# Altium PCB Charge_station.PcbDoc (part 2 of 2) (continued)
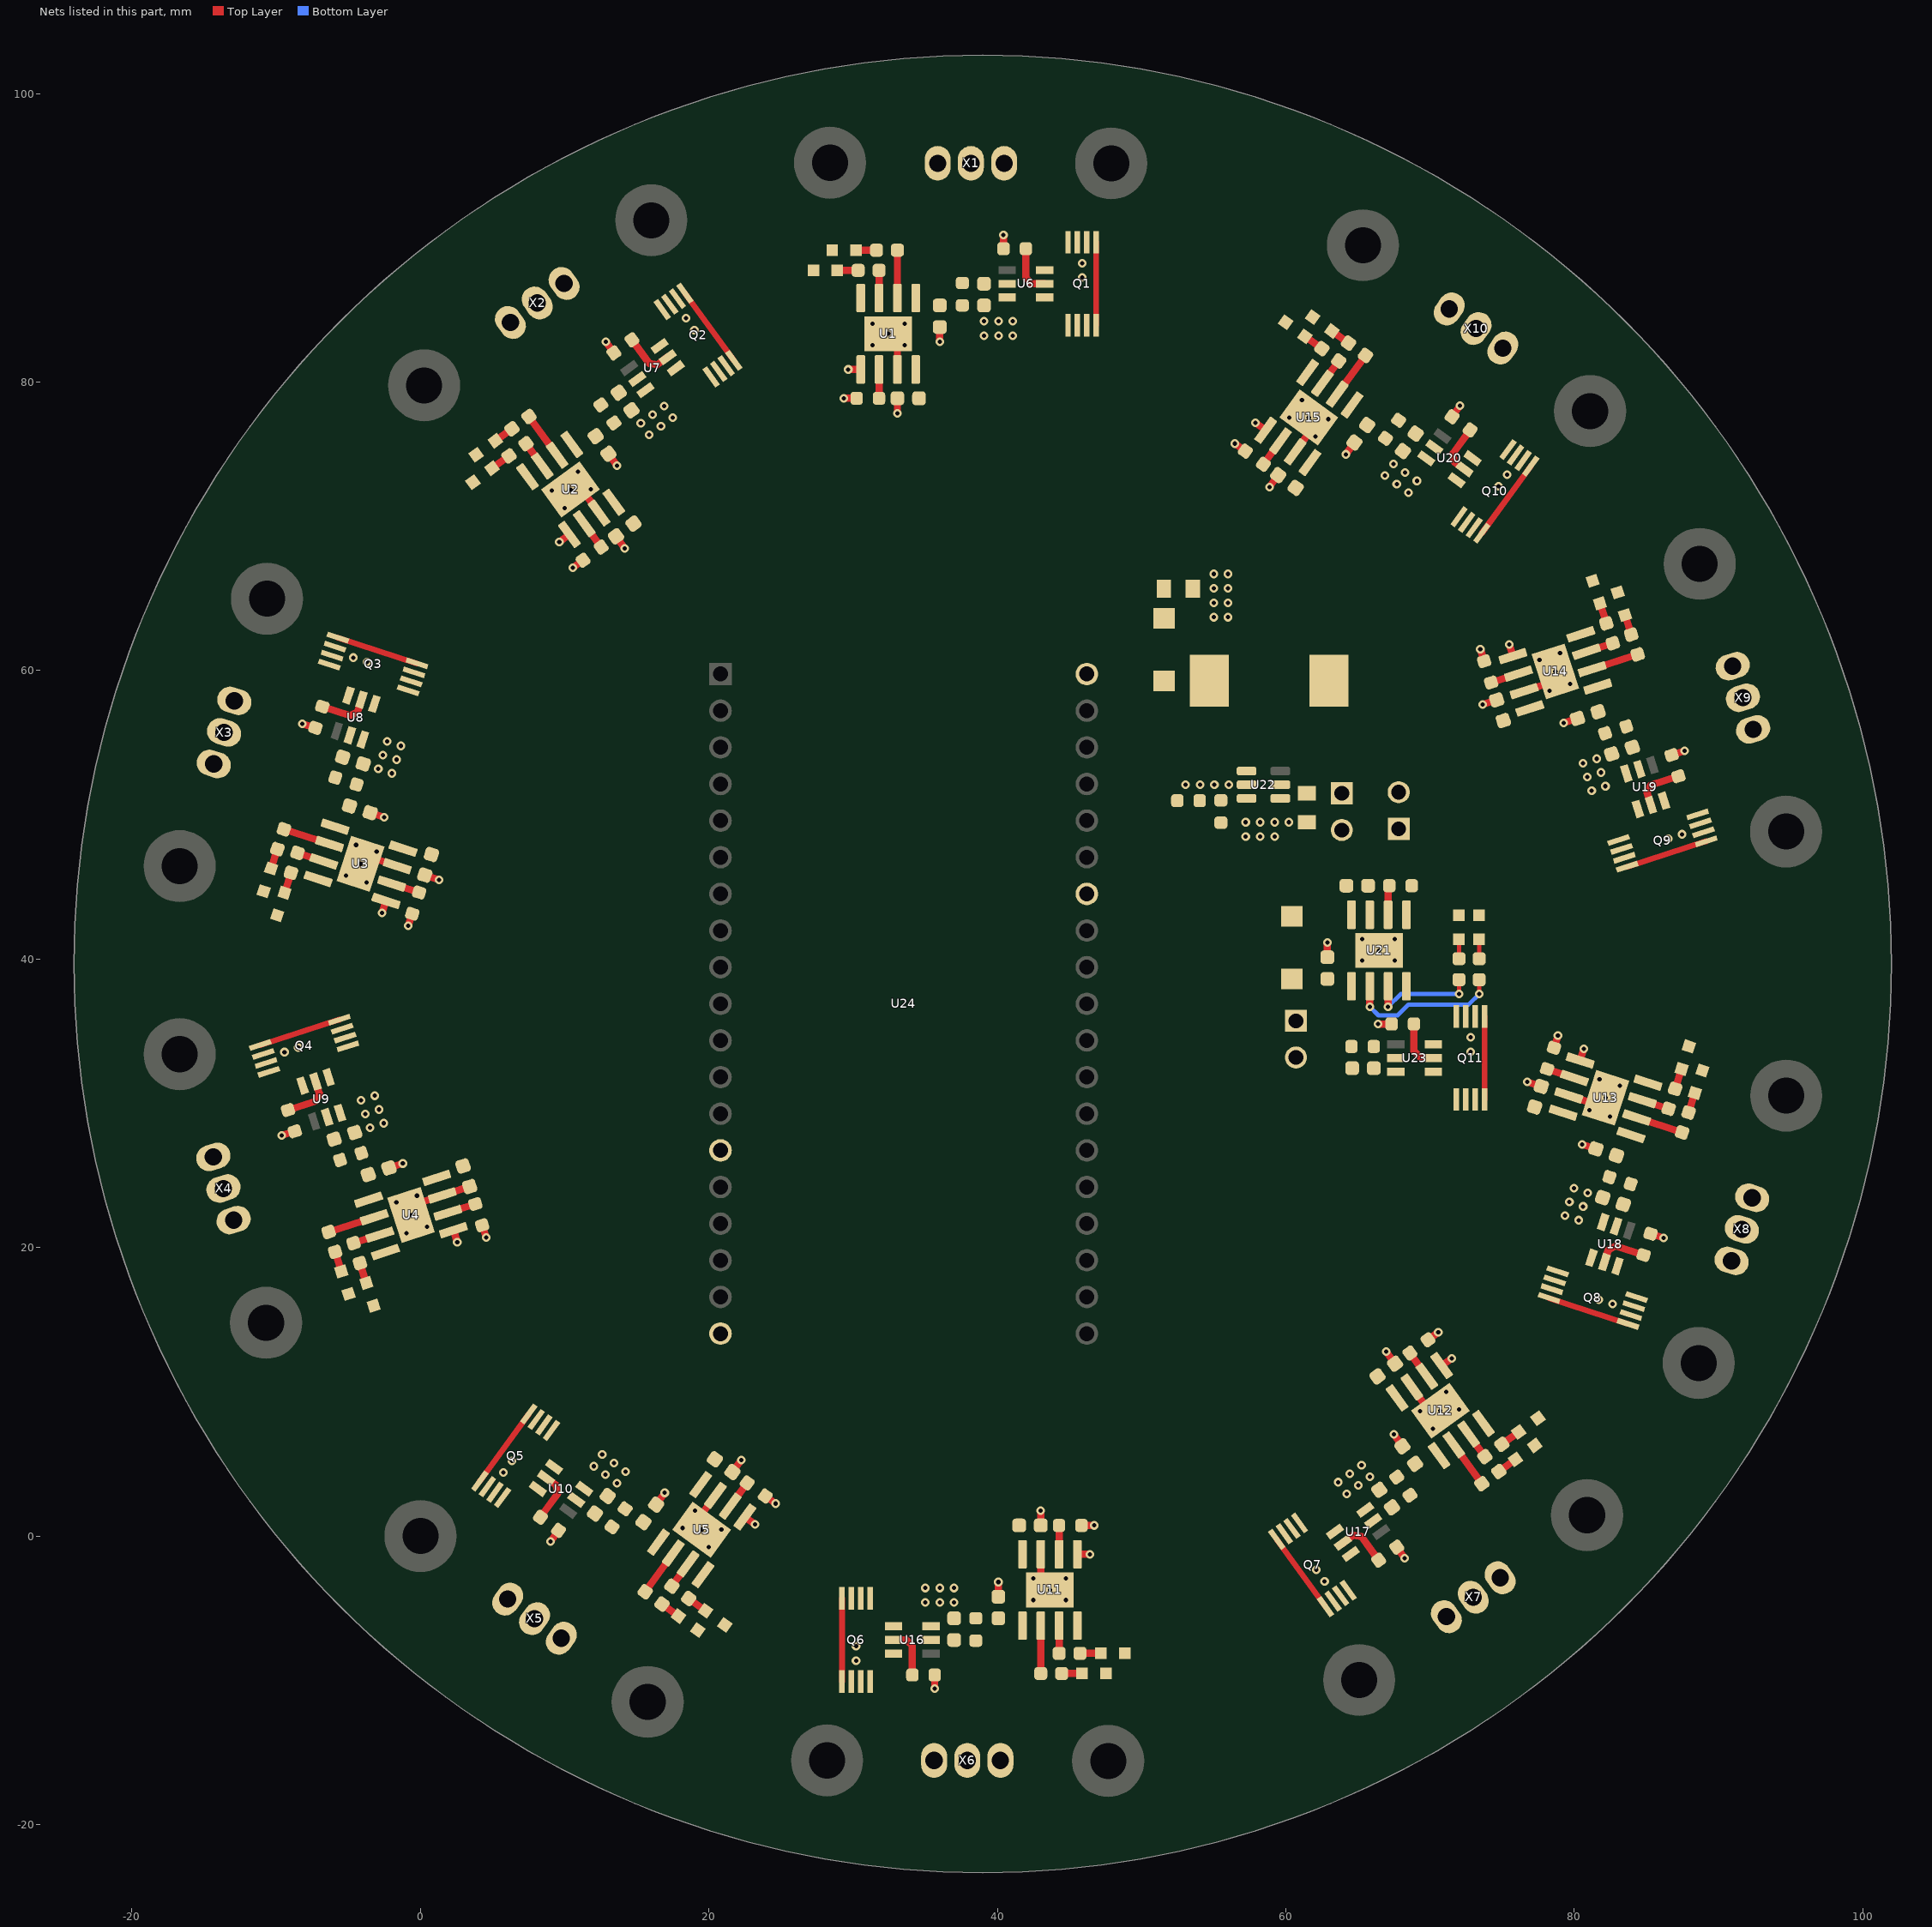
[diagram p2: the nets of this part, all layers, seen from the top]
## Nets (pads, with @x,y where several pads share a name; then routed paths per layer and width w, separated by ;. In a path a pad name is that pad's centre, name@x,y a point inside that pad or via, vN(x,y) a via of type N, cw(c..) or ccw(c..) an arc to the next point about the centre after c; other vN are vias at no path point) (continued)
  other v1: 30.2,-8.632 30.2,-7.632 42.492,-4.435 44.742,-4.435 62.686,-3.152 42.492,-2.935 44.742,-2.935 62.1,-2.342 19.979,-0.766 20.863,0.446 18.161,0.56 19.045,1.772 5.757,4.411 6.346,5.219 70.183,7.454 69.303,8.669 72.006,8.773 71.126,9.988 82.642,16.087 81.692,16.397 -0.981,20.996 0.447,21.455 -1.67,23.137 -0.242,23.597 82.469,29.074 81.044,29.54 83.168,31.213 81.742,31.678 -9.428,33.554 72.8,33.577 -8.476,33.86 72.8,34.577 65.301,39.895 67.551,39.895 65.301,41.395 67.551,41.395 -3.734,45.311 -5.16,45.775 -3.037,47.45 -4.464,47.915 86.516,48.348 57.216,48.489 58.216,48.489 59.216,48.489 87.468,48.655 57.216,49.489 58.216,49.489 59.216,49.489 60.216,49.489 53.046,52.089 54.046,52.089 55.046,52.089 56.046,52.089 78.272,58.604 79.7,59.064 -3.697,60.592 77.581,60.745 -4.648,60.902 79.009,61.205 54.992,63.7 55.992,63.7 54.992,64.7 55.992,64.7 54.992,65.7 55.992,65.7 54.992,66.7 55.992,66.7 9.992,71.261 9.11,72.475 11.811,72.585 74.747,72.773 75.336,73.581 10.929,73.798 62.048,76.22 62.931,77.432 60.23,77.545 61.113,78.757 31.33,82.553 33.58,82.553 18.991,83.612 31.33,84.053 33.58,84.053 18.403,84.42 45.872,87.249 45.872,88.249
NetC11_2: C11.2 R7.1 U9.5
NetC12_2: C12.2 R8.1 U10.5
NetC13_2: C13.2 R9.1 U6.5
NetC14_2: C14.2 R10.1 U7.5
NetC15_2: C15.2 R6.1 U8.5
NetC26_2: C26.2 R31.1 U16.5
NetC27_2: C27.2 R32.1 U17.5
NetC28_2: C28.2 R33.1 U18.5
NetC29_2: C29.2 R34.1 U19.5
NetC30_2: C30.2 R35.1 U20.5
NetC32_2: C32.2 L1.1 U22.4 U22.5 X12.1
NetC35_2: C35.2 R54.1 U23.5
NetD1_C: D1.C R11.2 | length 1.4
  Top Layer w0.5: D1.C@30.197,89.146 R11.2@31.615,89.146
NetD2_C: D2.C R13.2 | length 1.4
  Top Layer w0.5: D2.C@5.198,75.928 R13.2@6.345,76.762
NetD3_C: D3.C R15.2 | length 1.4
  Top Layer w0.5: D3.C@-10.354,46.275 R15.2@-9.915,47.623
NetD4_C: D4.C R17.2 | length 1.4
  Top Layer w0.5: R17.2@-5.917,19.707 D4.C@-5.483,18.357
NetD5_C: D5.C R19.2 | length 1.4
  Top Layer w0.5: R19.2@16.748,-4.714 D5.C@17.894,-5.549
NetD6_C: D6.C R12.2 | length 1.4
  Top Layer w0.5: D6.C@28.897,87.746 R12.2@30.345,87.746
NetD7_C: D7.C R14.2 | length 1.4
  Top Layer w0.5: D7.C@4.969,74.031 R14.2@6.141,74.883
NetD8_C: D8.C R16.2 | length 1.4
  Top Layer w0.5: D8.C@-9.426,44.605 R16.2@-8.977,45.982
NetD9_C: D9.C R18.2 | length 1.4
  Top Layer w0.5: R18.2@-4.196,18.927 D9.C@-3.752,17.548
NetD10_C: D10.C R20.2 | length 1.4
  Top Layer w0.5: R20.2@18.599,-4.331 D10.C@19.769,-5.184
NetD11_C: D11.C R36.2 | length 1.4
  Top Layer w0.5: R36.2@44.457,-9.528 D11.C@45.875,-9.528
NetD12_C: D12.C R38.2 | length 1.4
  Top Layer w0.5: R38.2@74.761,4.48 D12.C@75.91,5.312
NetD13_C: D13.C R40.2 | length 1.4
  Top Layer w0.5: R40.2@87.921,29.36 D13.C@88.362,30.709
NetD14_C: D14.C R42.2 | length 1.4
  Top Layer w0.5: D14.C@83.508,63.848 R42.2@83.944,62.498
NetD15_C: D15.C R44.2 | length 1.4
  Top Layer w0.5: D15.C@63.198,83.54 R44.2@64.344,82.705
NetD16_C: D16.C R37.2 | length 1.4
  Top Layer w0.5: R37.2@45.727,-8.128 D16.C@47.175,-8.128
NetD17_C: D17.C R39.2 | length 1.4
  Top Layer w0.5: R39.2@74.969,6.359 D17.C@76.142,7.208
NetD18_C: D18.C R41.2 | length 1.4
  Top Layer w0.5: R41.2@86.985,31.002 D18.C@87.434,32.379
NetD19_C: D19.C R43.2 | length 1.4
  Top Layer w0.5: D19.C@81.777,64.655 R43.2@82.222,63.277
NetD20_C: D20.C R45.2 | length 1.4
  Top Layer w0.5: D20.C@61.323,83.175 R45.2@62.493,82.322
NetD21_2: D21.2 L1.2 U22.1
NetD23_C: D23.C R55.2 | length 1.3
  Top Layer w0.3: R55.2@73.4,40.025 D23.C@73.4,41.375
NetD24_C: D24.C R56.2 | length 1.3
  Top Layer w0.3: R56.2@72,40.025 D24.C@72,41.375
NetQ1_1: Q1.1 Q1.8 | length 5.8
  Top Layer w0.4: Q1.8@46.847,83.938 Q1.1@46.847,89.698
NetQ1_4: Q1.4 U6.3
NetQ1_5: Q1.5 U6.1
NetQ2_1: Q2.1 Q2.8 | length 5.8
  Top Layer w0.4: Q2.1@18.34,86.165 Q2.8@21.727,81.507
NetQ2_4: Q2.4 U7.3
NetQ2_5: Q2.5 U7.1
NetQ3_1: Q3.1 Q3.8 | length 5.8
  Top Layer w0.4: Q3.1@-5.723,62.277 Q3.8@-0.246,60.494
NetQ3_4: Q3.4 U8.3
NetQ3_5: Q3.5 U8.1
NetQ4_1: Q4.1 Q4.8 | length 5.8
  Top Layer w0.4: Q4.1@-11.106,34.039 Q4.8@-5.622,35.802
NetQ4_4: Q4.4 U9.3
NetQ4_5: Q4.5 U9.1
NetQ5_1: Q5.1 Q5.8 | length 5.8
  Top Layer w0.4: Q5.1@4.115,3.815 Q5.8@7.509,8.469
NetQ5_4: Q5.4 U10.3
NetQ5_5: Q5.5 U10.1
NetQ6_1: Q6.1 Q6.8 | length 5.8
  Top Layer w0.4: Q6.1@29.225,-10.08 Q6.8@29.225,-4.32
NetQ6_4: Q6.4 U16.3
NetQ6_5: Q6.5 U16.1
NetQ7_1: Q7.1 Q7.8 | length 5.8
  Top Layer w0.4: Q7.8@59.368,-0.231 Q7.1@62.746,-4.897
NetQ7_4: Q7.4 U17.3
NetQ7_5: Q7.5 U17.1
NetQ8_1: Q8.1 Q8.8 | length 5.8
  Top Layer w0.4: Q8.8@78.241,16.498 Q8.1@83.716,14.71
NetQ8_4: Q8.4 U18.3
NetQ8_5: Q8.5 U18.1
NetQ9_1: Q9.1 Q9.8 | length 5.8
  Top Layer w0.4: Q9.8@83.664,46.403 Q9.1@89.146,48.172
NetQ9_4: Q9.4 U19.3
NetQ9_5: Q9.5 U19.1
NetQ10_1: Q10.1 Q10.8 | length 5.8
  Top Layer w0.4: Q10.8@73.583,69.522 Q10.1@76.977,74.177
NetQ10_4: Q10.4 U20.3
NetQ10_5: Q10.5 U20.1
NetQ11_1: Q11.1 Q11.8 | length 5.8
  Top Layer w0.4: Q11.8@73.775,30.265 Q11.1@73.775,36.025
NetQ11_4: Q11.4 U23.3
NetQ11_5: Q11.5 U23.1
NetR1_2: R1.2 U1.2 | length 2
  Top Layer w0.5: R1.2@31.795,78.878 U1.2@31.795,80.878
NetR2_2: R2.2 U2.2 | length 2
  Top Layer w0.5: U2.2@11.353,70.18 R2.2@12.529,68.562
NetR3_2: R3.2 U3.2 | length 2
  Top Layer w0.5: U3.2@-1.997,45.234 R3.2@-0.096,44.615
NetR4_2: R4.2 U4.2 | length 2
  Top Layer w0.5: U4.2@1.899,22.41 R4.2@3.803,23.023
NetR5_2: R5.2 U5.2 | length 2
  Top Layer w0.5: U5.2@21.474,2.074 R5.2@22.652,3.69
NetR21_2: R21.2 U6.2 | length 3.5
  Top Layer w0.5: R21.2@41.972,89.246 41.972,87.221 42.375,86.818 U6.2@43.247,86.818 ; U6.2@43.247,86.843 U6.2@43.272,86.818
NetR22_2: R22.2 U7.2 | length 3.5
  Top Layer w0.5: R22.2@14.662,82.933 15.853,81.295 16.417,81.206 U7.2@17.122,81.719 ; U7.2@17.107,81.739 U7.2@17.142,81.734
NetR23_2: R23.2 U8.2 | length 3.5
  Top Layer w0.5: R23.2@-6.803,57.502 -4.878,56.875 -4.369,57.134 U8.2@-4.099,57.963 ; U8.2@-4.123,57.97 U8.2@-4.092,57.986
NetR24_2: R24.2 U9.2 | length 3.5
  Top Layer w0.5: R24.2@-9.183,29.536 -7.256,30.156 -6.995,30.664 U9.2@-7.262,31.494 ; U9.2@-7.286,31.486 U9.2@-7.27,31.517
NetR25_2: R25.2 U10.2 | length 3.5
  Top Layer w0.5: R25.2@8.321,1.307 9.514,2.944 9.425,3.507 U10.2@8.721,4.021 ; U10.2@8.701,4.036 U10.2@8.706,4.001
NetR26_2: R26.2 U11.2 | length 2
  Top Layer w0.5: U11.2@44.277,-1.26 R26.2@44.277,0.74
NetR27_2: R27.2 U12.2 | length 2
  Top Layer w0.5: R27.2@68.595,12.693 U12.2@69.767,11.073
NetR28_2: R28.2 U13.2 | length 2
  Top Layer w0.5: R28.2@78.104,32.377 U13.2@80.006,31.756
NetR29_2: R29.2 U14.2 | length 2
  Top Layer w0.5: R29.2@74.227,59.174 U14.2@76.13,59.788
NetR30_2: R30.2 U15.2 | length 2
  Top Layer w0.5: R30.2@58.44,74.302 U15.2@59.618,75.918
NetR46_2: R46.2 U16.2 | length 3.5
  Top Layer w0.5: U16.2@32.8,-7.2 U16.2@32.825,-7.225 ; U16.2@32.825,-7.2 33.697,-7.2 34.1,-7.603 R46.2@34.1,-9.628
NetR47_2: R47.2 U17.2 | length 3.5
  Top Layer w0.5: U17.2@63.953,-0.468 U17.2@63.988,-0.474 ; U17.2@63.973,-0.454 64.679,0.057 65.243,-0.033 R47.2@66.43,-1.673
NetR48_2: R48.2 U18.2 | length 3.5
  Top Layer w0.5: U18.2@82.089,19.003 U18.2@82.12,19.019 ; U18.2@82.097,19.026 82.367,19.855 82.876,20.113 R48.2@84.801,19.484
NetR49_2: R49.2 U19.2 | length 3.5
  Top Layer w0.5: U19.2@85.3,50.714 85.032,51.543 85.292,52.051 R49.2@87.219,52.673 ; U19.2@85.307,50.69 U19.2@85.324,50.721
NetR50_2: R50.2 U20.2 | length 3.5
  Top Layer w0.5: U20.2@72.371,73.971 71.667,74.484 71.579,75.048 R50.2@72.772,76.684 ; U20.2@72.386,73.991 U20.2@72.391,73.956
NetR51_2: R51.2 U21.2 | length 2
  Top Layer w0.5: U21.2@67.086,43.07 R51.2@67.086,45.07
NetR52_1: R52.1 R53.2 U22.3
NetR57_2: R57.2 U23.2 | length 3.4
  Top Layer w0.5: R57.2@68.875,35.5 68.875,33.625 69.35,33.15 70.222,33.15 U23.2@70.226,33.145
STDBY_1: R11.1 U1.6 | length 3.3
  Top Layer w0.5: U1.6@33.065,85.828 R11.1@33.065,89.146
STDBY_2: R13.1 U2.6 | length 3.3
  Top Layer w0.5: R13.1@7.517,77.615 U2.6@9.469,74.931
STDBY_3: R15.1 U3.6 | length 3.3
  Top Layer w0.5: R15.1@-9.466,49.002 U3.6@-6.311,47.975
STDBY_4: R17.1 U4.6 | length 3.3
  Top Layer w0.5: R17.1@-6.361,21.088 U4.6@-3.202,22.104
STDBY_5: R19.1 U5.6 | length 3.3
  Top Layer w0.5: R19.1@15.576,-3.859 U5.6@17.531,-1.178
STDBY_6: R36.1 U11.6 | length 3.3
  Top Layer w0.5: R36.1@43.007,-9.528 U11.6@43.007,-6.21
STDBY_7: R38.1 U12.6 | length 3.3
  Top Layer w0.5: U12.6@71.641,6.318 R38.1@73.587,3.63
STDBY_8: R40.1 U13.6 | length 3.3
  Top Layer w0.5: U13.6@84.317,29.012 R40.1@87.471,27.982
STDBY_9: R42.1 U14.6 | length 3.3
  Top Layer w0.5: U14.6@81.231,60.099 R42.1@84.389,61.118
STDBY_10: R44.1 U15.6 | length 3.3
  Top Layer w0.5: U15.6@63.561,79.169 R44.1@65.516,81.851
STDBY_M: R55.1 U21.6 | length 10.9
  Top Layer w0.3: v1@73.4,37.525 v1(73.4,37.575) R55.1@73.4,38.575
  Top Layer w0.5: v1(65.816,36.7) U21.6@65.816,38.12
  Bottom Layer w0.3: v1(65.816,36.7) 66.416,36.1 67.75,36.1 68.5,36.85 72.675,36.85 v1(73.4,37.575)
Vin: C31.2 D22.1 U21.4 U21.8 X11.1 X12.2
pads on no net: U6.4 U7.4 U8.4 U9.4 U10.4 U16.4 U17.4 U18.4 U19.4 U20.4 U22.6 U23.4 U24.J2-1 U24.J2-2 U24.J2-3 U24.J2-4 U24.J2-5 U24.J2-6 U24.J2-7 U24.J2-8 U24.J2-9 U24.J2-10 U24.J2-11 U24.J2-12 U24.J2-13 U24.J2-15 U24.J2-16 U24.J2-17 U24.J2-18 U24.J3-2 U24.J3-3 U24.J3-4 U24.J3-5 U24.J3-6 U24.J3-8 U24.J3-9 U24.J3-10 U24.J3-11 U24.J3-12 U24.J3-13 U24.J3-14 U24.J3-15 U24.J3-16 U24.J3-17 U24.J3-18 U24.J3-19

## Polygon pours and split planes (outlines as drawn)
GND on Bottom Layer "GND_L02_P086" (solid, remove dead copper, pour order 86): 38.982,-23.336 cw(c38.982,39.664) -24.018,39.664 cw(c38.982,39.664) 38.982,102.664 cw(c38.982,39.664) 101.982,39.664 cw(c38.982,39.664)
BAT_GND_WS10 on Bottom Layer "BAT_GND_WS10_L02_P073" (solid, pour order 73): 66.34,73.294 68.764,71.527 71.651,75.486 71.322,77.582 70.584,82.299 72.959,85.557 71.239,86.811 65.463,78.889
BAT_GND_WS8 on Bottom Layer "BAT_GND_WS8_L02_P066" (solid, pour order 66): 79.589,24.553 78.657,21.701 83.315,20.18 85.207,21.14 89.464,23.301 93.297,22.05 93.958,24.073 84.639,27.117
BAT_GND_WS4 on Bottom Layer "BAT_GND_WS4_L02_P059" (solid, pour order 59): -1.989,28.489 -2.907,31.345 -7.572,29.844 -8.541,27.957 -10.721,23.709 -14.559,22.475 -13.908,20.449 -4.575,23.45
BAT_GND_WS9 on Bottom Layer "Bottom Layer-No Net" (solid, pour order 52): 80.024,53.713 80.945,50.858 87.114,52.849 86.693,54.154 87.015,54.784 87.776,55.029 89.617,54.087 93.813,55.441 93.26,57.154 90.528,56.272 88.561,57.279 80.521,54.685
BAT_GND_WS7 on Bottom Layer "Bottom Layer-No Net" (solid, pour order 45): 65.194,5.491 62.764,3.732 66.565,-1.519 67.676,-0.714 68.375,-0.826 68.844,-1.474 68.516,-3.516 71.101,-7.088 72.56,-6.032 70.876,-3.707 71.226,-1.525 66.272,5.319
BAT_GND_WS5 on Bottom Layer "Bottom Layer-No Net" (solid, pour order 38): 14.753,4.697 12.328,6.465 8.509,1.227 9.618,0.419 9.727,-0.28 9.256,-0.926 7.213,-1.246 4.615,-4.809 6.07,-5.869 7.761,-3.549 9.944,-3.207 14.921,3.619
BAT_GND_WS2 on Bottom Layer "BAT_GND_WS2_L02_P036" (solid, pour order 36): 15.914,75.771 18.34,77.535 15.458,81.499 13.363,81.83 8.647,82.575 6.276,85.836 4.554,84.584 10.319,76.655
BAT_GND_WS3 on Bottom Layer "Bottom Layer-No Net 1" (solid, pour order 29): -1.587,52.438 -0.658,55.29 -6.821,57.298 -7.246,55.993 -7.876,55.673 -8.637,55.92 -9.575,57.764 -13.767,59.129 -14.324,57.417 -11.594,56.528 -10.592,54.559 -2.559,51.943
BAT_GND_WS1 on Bottom Layer "Bottom Layer-BAT_GND_WS1" (solid, pour order 1): 38.772,82.718 41.772,82.718 41.772,89.2 40.4,89.2 39.9,89.7 39.9,90.5 41.362,91.962 41.362,96.371 39.562,96.371 39.562,93.5 38,91.938 38,83.489
BAT_GND_WS6 on Bottom Layer "BAT_GND_WS6_L02_P002" (solid, pour order 2): 37.3,-3.1 34.3,-3.1 34.3,-8 35.8,-9.5 39.176,-12.876 39.176,-16.908 41.305,-16.908 41.305,-7.105
5V on Top Layer "5V_L01_P087" (solid, remove dead copper, pour order 87): 38.982,-23.336 cw(c38.982,39.664) -24.018,39.664 cw(c38.982,39.664) 38.982,102.664 cw(c38.982,39.664) 101.982,39.664 cw(c38.982,39.664)
GND on Top Layer "Top Layer-GND 1" (solid, remove dead copper, pour order 9): 54.838,48 59.5,48 60.1,48.6 62.071,48.6 62.071,49.989 54.838,49.989
NetQ9_5 on Top Layer "NETQ9_5_L01_P054" (solid, pour order 54): 84.232,48.425 82.385,47.829 82.228,48.314 83.463,50.725 84.481,51.053 84.905,49.739
Charge_Bat_WS_10 on Top Layer "Top Layer-Charge_Bat_WS_6" (solid, pour order 79): 76.817,82.857 73.17,85.516 71.767,83.592 70.572,83.405 67.499,82.923 63.764,77.802 67.079,75.385 67.675,76.202 66.889,76.775 66.803,77.324 67.67,78.513 74.421,79.57
NetC30_2 on Top Layer "NETC30_2_L01_P077" (solid, pour order 77): 70.496,74.75 71.055,75.518 67.702,77.963 67.142,77.195
BAT_GND_WS10 on Top Layer "BAT_GND_WS10_L01_P076" (solid, pour order 76): 73.758,70.526 72.002,68.118 70.989,67.959 66.384,71.317 66.055,73.413 68.115,76.238 70.378,74.589 71.099,69.983 71.477,69.708 71.912,69.776 72.91,71.145
NetQ10_4 on Top Layer "NETQ10_4_L01_P075" (solid, pour order 75): 74.879,74.269 76.022,75.838 75.611,76.138 72.934,75.719 72.304,74.855 73.421,74.041
NetQ10_5 on Top Layer "NETQ10_5_L01_P074" (solid, pour order 74): 72.854,71.492 71.71,69.923 71.298,70.223 70.879,72.9 71.509,73.764 72.625,72.95
Charge_Bat_WS_8 on Top Layer "Top Layer-Charge_Bat_WS_6" (solid, pour order 72): 91.922,17.546 93.324,21.836 91.06,22.576 90.512,23.654 89.104,26.428 83.079,28.396 81.805,24.496 82.766,24.182 83.068,25.107 83.564,25.359 84.962,24.902 88.055,18.809
BAT_GND_WS8 on Top Layer "BAT_GND_WS8_L01_P069" (solid, pour order 69): 79.25,16.642 76.416,17.568 75.952,18.482 77.722,23.9 79.614,24.861 82.937,23.775 82.068,21.113 77.911,19.003 77.766,18.559 77.965,18.167 79.576,17.641
NetQ8_4 on Top Layer "NETQ8_4_L01_P068" (solid, pour order 68): 83.156,16.734 85.001,16.131 85.159,16.616 83.933,19.031 82.917,19.363 82.488,18.05
NetQ8_5 on Top Layer "NETQ8_5_L01_P067" (solid, pour order 67): 79.889,17.801 78.043,18.404 78.201,18.888 80.617,20.115 81.633,19.783 81.204,18.469
NetQ4_4 on Top Layer "NETQ4_4_L01_P061" (solid, pour order 61): -9.464,32.729 -11.313,32.134 -11.157,31.649 -8.746,30.412 -7.728,30.739 -8.151,32.055
GND on Top Layer "GND_L01_P058" (solid, pour order 58): 89.75,48.84 89.428,49.839 85.975,48.725 86.297,47.725
NetC29_2 on Top Layer "NETC29_2_L01_P057" (solid, pour order 57): 84.241,52.447 85.145,52.739 83.871,56.688 82.967,56.397
BAT_GND_WS9 on Top Layer "BAT_GND_WS9_L01_P056" (solid, pour order 56): 84.396,47.112 81.559,46.197 80.647,46.664 78.897,52.089 79.863,53.977 83.191,55.051 84.051,52.386 81.926,48.236 82.069,47.792 82.461,47.591 84.073,48.111
Charge_Bat_WS_9 on Top Layer "Top Layer-No Net" (solid, pour order 53): 93.4,57.523 91.798,62.49 86.623,60.82 80.591,58.874 81.851,54.969 82.813,55.28 82.514,56.206 82.768,56.7 84.168,57.152 87.292,55.552
NetC27_2 on Top Layer "NETC27_2_L01_P050" (solid, pour order 50): 65.295,1.089 65.852,0.32 69.214,2.753 68.657,3.522
BAT_GND_WS7 on Top Layer "BAT_GND_WS7_L01_P049" (solid, pour order 49): 60.269,-0.708 58.521,1.706 58.684,2.719 63.301,6.061 65.396,5.725 67.446,2.893 65.177,1.251 60.574,1.989 60.196,1.715 60.126,1.28 61.119,-0.092
NetQ7_4 on Top Layer "NETQ7_4_L01_P048" (solid, pour order 48): 63.482,-2.931 64.621,-4.503 65.033,-4.205 65.462,-1.53 64.835,-0.663 63.716,-1.473
NetQ7_5 on Top Layer "NETQ7_5_L01_P047" (solid, pour order 47): 61.467,-0.146 60.329,1.426 60.741,1.725 63.416,1.296 64.043,0.43 62.924,-0.38
Charge_Bat_WS_7 on Top Layer "Top Layer-No Net" (solid, pour order 46): 72.954,-6.051 77.182,-2.991 73.994,1.413 70.278,6.547 66.954,4.142 67.547,3.323 68.335,3.894 68.884,3.806 69.746,2.614 69.191,-0.852
GND on Top Layer "GND_L01_P044" (solid, pour order 44): 4.02,2.919 4.868,2.301 7.006,5.233 6.157,5.851
NetC12_2 on Top Layer "NETC12_2_L01_P043" (solid, pour order 43): 10.597,3.241 10.037,2.473 13.39,0.028 13.95,0.796
BAT_GND_WS5 on Top Layer "BAT_GND_WS5_L01_P042" (solid, pour order 42): 7.334,7.465 9.09,9.874 10.103,10.032 14.709,6.674 15.037,4.578 12.977,1.753 10.715,3.403 9.993,8.008 9.616,8.284 9.181,8.215 8.183,6.847
NetQ5_4 on Top Layer "NETQ5_4_L01_P041" (solid, pour order 41): 6.214,3.722 5.07,2.153 5.481,1.853 8.158,2.273 8.788,3.137 7.672,3.951
NetQ5_5 on Top Layer "NETQ5_5_L01_P040" (solid, pour order 40): 8.239,6.499 9.383,8.068 9.794,7.768 10.213,5.091 9.583,4.227 8.467,5.041
Charge_Bat_WS_5 on Top Layer "Top Layer-No Net" (solid, pour order 39): 6.174,-6.251 10.391,-9.325 13.594,-4.932 17.328,0.19 14.013,2.607 13.417,1.79 14.204,1.216 14.29,0.668 13.423,-0.521 9.956,-1.064
Charge_Bat_WS_2 on Top Layer "Top Layer-No Net 1" (solid, pour order 37): 10.03,88.679 6.379,86.025 7.78,84.098 7.591,82.904 7.105,79.831 10.833,74.704 14.151,77.117 13.556,77.934 12.769,77.362 12.221,77.449 11.356,78.639 12.422,85.389
GND on Top Layer "GND_L01_P028" (solid, pour order 28): 17.517,86.532 16.668,85.914 18.802,82.979 19.651,83.597
NetC14_2 on Top Layer "NETC14_2_L01_P027" (solid, pour order 27): 15.804,80.173 15.245,80.942 11.889,78.501 12.447,77.733
BAT_GND_WS2 on Top Layer "BAT_GND_WS2_L01_P026" (solid, pour order 26): 20.826,81.981 22.578,79.571 22.418,78.558 17.808,75.206 15.713,75.537 13.657,78.365 15.921,80.012 20.526,79.284 20.904,79.559 20.973,79.994 19.976,81.364
NetQ2_4 on Top Layer "NETQ2_4_L01_P025" (solid, pour order 25): 17.607,84.197 16.466,85.767 16.054,85.468 15.631,82.792 16.26,81.927 17.377,82.739
NetQ2_5 on Top Layer "NETQ2_5_L01_P024" (solid, pour order 24): 19.629,81.417 20.77,79.847 20.359,79.547 17.682,79.97 17.054,80.835 18.171,81.647
Charge_Bat_WS_3 on Top Layer "Top Layer-No Net 2" (solid, pour order 30): -14.654,57.2 -16.27,52.238 -11.101,50.555 -5.074,48.592 -3.804,52.493 -4.765,52.806 -5.066,51.881 -5.561,51.629 -6.96,52.084 -8.551,55.212
Charge_Bat_WS_4 on Top Layer "Top Layer-Charge_Bat_WS_6" (solid, pour order 65): -16.088,26.929 -14.706,22.632 -12.439,23.361 -11.363,22.809 -8.595,21.388 -2.561,23.329 -3.818,27.234 -4.78,26.925 -4.482,25.998 -4.735,25.504 -6.136,25.054 -12.216,28.174
BAT_GND_MAIN on Top Layer "Top Layer-BAT_GND_MAIN" (solid, pour order 85): 59.658,27.4 73.325,27.4 73.325,31.045 72.275,31.045 72.275,29.4 72,29.125 71.6,29.125 69.125,31.6 68.255,32.47 67.026,32.47 67.026,31.92 66.807,31.701 65.149,31.701 65.149,33.025 62.246,33.025 61.188,34.084 59.658,34.084
GND on Top Layer "GND_L01_P084" (solid, pour order 84): 73.325,36.805 72.275,36.805 72.275,33.177 73.325,33.177
NetC35_2 on Top Layer "NETC35_2_L01_P083" (solid, remove dead copper, pour order 83): 66.779,32.162 66.779,32.623 67.026,32.87 68.226,32.87 68.226,33.42 67.059,33.42 66.779,33.7 66.779,34.189 66.446,34.522 65.581,34.522 65.581,31.873 66.49,31.873
NetQ11_4 on Top Layer "NETQ11_4_L01_P082" (solid, pour order 82): 72.051,34.864 72.051,36.805 71.542,36.805 69.626,34.89 69.626,33.82 71.008,33.82
NetQ11_5 on Top Layer "NETQ11_5_L01_P081" (solid, pour order 81): 72.051,31.427 72.051,29.403 71.624,29.403 69.626,31.401 69.626,32.47 71.008,32.47
BAT_MAIN on Top Layer "Top Layer-BAT_MAIN" (solid, pour order 80): 63.719,33.431 65.078,33.431 65.078,38.755 64.482,39.35 59.446,39.35 59.446,34.788 62.362,34.788
GND on Top Layer "GND_L01_P078" (solid, pour order 78): 77.073,75.072 76.224,75.691 74.087,72.759 74.935,72.14
GND on Top Layer "GND_L01_P071" (solid, pour order 71): 84.598,14.896 84.924,15.894 81.474,17.02 81.148,16.022
NetC28_2 on Top Layer "NETC28_2_L01_P070" (solid, pour order 70): 82.258,21.051 83.161,20.756 84.45,24.701 83.547,24.996
GND on Top Layer "GND_L01_P064" (solid, pour order 64): -11.711,33.372 -11.389,32.372 -7.935,33.483 -8.256,34.483
NetC11_2 on Top Layer "NETC11_2_L01_P063" (solid, pour order 63): -6.205,29.759 -7.109,29.468 -5.839,25.517 -4.934,25.808
BAT_GND_WS4 on Top Layer "BAT_GND_WS4_L01_P062" (solid, pour order 62): -6.355,35.094 -3.517,36.007 -2.605,35.538 -0.86,30.112 -1.829,28.225 -5.157,27.154 -6.015,29.82 -3.886,33.967 -4.029,34.412 -4.421,34.613 -6.033,34.095
NetQ4_5 on Top Layer "NETQ4_5_L01_P060" (solid, pour order 60): -6.192,33.781 -4.344,34.375 -4.188,33.89 -5.425,31.48 -6.443,31.153 -6.866,32.468
NetQ9_4 on Top Layer "NETQ9_4_L01_P055" (solid, pour order 55): 87.503,49.481 89.351,50.077 89.195,50.561 86.783,51.796 85.766,51.468 86.19,50.153
GND on Top Layer "GND_L01_P051" (solid, pour order 51): 63.568,-5.265 64.418,-4.65 62.291,-1.711 61.44,-2.326
GND on Top Layer "GND_L01_P035" (solid, pour order 35): -6.604,62.091 -6.929,61.093 -3.479,59.969 -3.154,60.967
NetC15_2 on Top Layer "NETC15_2_L01_P034" (solid, pour order 34): -4.259,55.938 -5.163,56.232 -6.448,52.286 -5.544,51.991
BAT_GND_WS3 on Top Layer "BAT_GND_WS3_L01_P033" (solid, pour order 33): -1.255,60.349 1.579,59.426 2.044,58.512 0.279,53.092 -1.612,52.131 -4.936,53.213 -4.069,55.876 0.086,57.989 0.231,58.433 0.031,58.826 -1.58,59.351
NetQ3_4 on Top Layer "NETQ3_4_L01_P032" (solid, pour order 32): -5.161,60.254 -7.007,60.855 -7.164,60.371 -5.936,57.956 -4.919,57.625 -4.492,58.938
NetQ3_5 on Top Layer "NETQ3_5_L01_P031" (solid, pour order 31): -1.893,59.189 -0.046,58.588 -0.204,58.104 -2.619,56.876 -3.636,57.207 -3.208,58.52
GND on Top Layer "GND_L01_P023" (solid, pour order 23): 46.397,90.478 45.347,90.478 45.347,86.849 46.397,86.849
NetC13_2 on Top Layer "NETC13_2_L01_P022" (solid, pour order 22): 41.272,86.343 41.272,87.293 37.122,87.293 37.122,86.343
BAT_GND_WS1 on Top Layer "BAT_GND_WS1_L01_P021" (solid, pour order 21): 46.397,84.852 46.397,81.871 45.672,81.146 39.972,81.146 38.472,82.646 38.472,86.143 41.272,86.143 44.568,82.846 45.035,82.846 45.347,83.158 45.347,84.852
NetQ1_4 on Top Layer "NETQ1_4_L01_P020" (solid, pour order 20): 45.097,88.536 45.097,90.478 44.588,90.478 42.672,88.562 42.672,87.493 44.053,87.493
NetQ1_5 on Top Layer "NETQ1_5_L01_P019" (solid, pour order 19): 45.097,85.099 45.097,83.158 44.588,83.158 42.672,85.073 42.672,86.143 44.053,86.143
Charge_Bat_WS_1 on Top Layer "Top Layer-Charge_Bat_WS_1" (solid, pour order 18): 39.253,96.618 34.035,96.618 34.035,91.181 34.035,84.843 38.138,84.843 38.138,85.853 37.164,85.853 36.772,86.246 36.772,87.718 39.253,90.199
Charge_Bat_WS_6 on Top Layer "Top Layer-Charge_Bat_WS_6" (solid, pour order 17): 34.468,-17 38.982,-17 38.982,-14.618 39.837,-13.763 42.037,-11.563 42.037,-5.225 37.934,-5.225 37.934,-6.236 38.907,-6.236 39.3,-6.628 39.3,-8.1 34.468,-12.932
GND on Top Layer "GND_L01_P016" (solid, pour order 16): 29.675,-10.86 30.725,-10.86 30.725,-7.232 29.675,-7.232
NetC26_2 on Top Layer "NETC26_2_L01_P015" (solid, pour order 15): 34.8,-6.725 34.8,-7.675 38.95,-7.675 38.95,-6.725
BAT_GND_WS6 on Top Layer "BAT_GND_WS6_L01_P014" (solid, pour order 14): 29.675,-5.234 29.675,-2.253 30.4,-1.528 36.1,-1.528 37.6,-3.028 37.6,-6.525 34.8,-6.525 31.503,-3.228 31.037,-3.228 30.725,-3.54 30.725,-5.234
NetQ6_4 on Top Layer "NETQ6_4_L01_P013" (solid, pour order 13): 30.975,-8.919 30.975,-10.86 31.484,-10.86 33.4,-8.944 33.4,-7.875 32.019,-7.875
NetQ6_5 on Top Layer "NETQ6_5_L01_P012" (solid, pour order 12): 30.975,-5.481 30.975,-3.54 31.484,-3.54 33.4,-5.456 33.4,-6.525 32.019,-6.525
GND on Top Layer "GND_L01_P011" (solid, remove dead copper, pour order 11): 64.8,41.802 68.102,41.802 68.102,39.389 64.8,39.389
GND on Top Layer "Top Layer-GND" (solid, remove dead copper, pour order 10): 68.056,39.435 68.102,39.389 68.656,39.943 68.656,44.127 69.216,44.686 69.216,45.652 68.214,45.652 68.214,44.769 68.056,44.612 68.056,42.16
NetR52_1 on Top Layer "NETR52_1_L01_P008" (solid, remove dead copper, pour order 8): 57.961,51.434 57.961,50.584 53.596,50.584 53.596,51.434
GND on Top Layer "GND_L01_P007" (solid, remove dead copper, pour order 7): 52.692,62.6 52.692,67.5 56.992,67.5 56.992,62.6
Vin on Top Layer "Top Layer-Vin" (solid, remove dead copper, pour order 6): 59.246,42.16 64.846,42.16 64.846,45.589 65.246,45.989 69.146,45.989 69.446,45.689 69.446,40.398 68.056,39.008 68.056,37.21 68.968,37.21 71.046,39.289 71.046,47.679 68.836,49.889 63.346,49.889 62.846,49.389 62.846,48.889 62.346,48.389 60.346,48.389 59.246,47.289
GND on Top Layer "GND_L01_P005" (solid, remove dead copper, pour order 5): 57.961,52.384 57.961,51.794 52.1,51.794 52.1,52.384
NetD21_2 on Top Layer "NETD21_2_L01_P004" (solid, remove dead copper, pour order 4): 57.961,52.744 57.961,61.489 50.3,61.489 50.3,52.744
NetC32_2 on Top Layer "NETC32_2_L01_P003" (solid, remove dead copper, pour order 3): 58.931,50.594 58.931,52.384 60.284,52.384 60.546,52.646 60.546,61.589 65.046,61.589 65.046,50.594
GND on Top Layer "Top Layer-GND 2" (solid, remove dead copper, pour order 0): 65.341,41.555 65.816,41.08 66.291,41.555 66.291,45.564 65.221,45.564 65.221,44.614 65.341,44.493

## Silkscreen, mask and mechanical layers (free items; w line width, h text height)
Top Overlay:
  text "I" at 70.839,54.29 h1.52 r90
  text "-" at 72.439,54.29 h1.52 r90
  text "On/Off" at 70.85,47.3 h1.52 r90
  text "USB-C" at 72.45,47.3 h1.52 r90
  text "0" at 70.85,46.3 h1.52 r90
  text "+" at 72.45,46.3 h1.52 r90
  text "+" at 51.7,35.45 h2
  text "Main Bat" at 51.7,33.95 h1.52
  text "-" at 57.7,33.95 h2 r180
  text "LIPSAR v2.0" at 52.747,19.296 h3
  text "Charge Station" at 51.676,16.163 h3
Board:
  circle w0.013: c38.982,39.664 r63
Mech:
  circle w0.013: c28.189,-15.553 r1.1
  circle w0.013: c88.621,12 r1.1
  circle w0.013: c94.687,30.532 r1.1
  circle w0.013: c81.091,77.99 r1.1
  circle w0.013: c65.34,89.486 r1.1
  circle w0.013: c16.004,91.221 r1.1
  circle w0.013: c0.254,79.775 r1.046
  circle w0.013: c28.392,95.207 r1.1
  circle w0.013: c47.892,95.165 r1.1
  circle w0.013: c88.696,67.397 r1.1
  circle w0.013: c80.882,1.451 r1.1
  circle w0.013: c65.082,-9.977 r1.1
  circle w0.013: c15.751,-11.496 r1.1
  circle w0.013: c0,0 r1.1
  circle w0.013: c-16.69,46.449 r1.1
  circle w0.013: c-10.642,64.981 r1.1